# Altium PCB PCB.PcbDoc
Units mm, origin at the board's own origin, x right, y up, seen from the top; angles counter-clockwise.
Board outline 90 x 70 mm, 2 copper layers (Top Layer, Bottom Layer); 116 components, 91 nets, 451 pads, 231 vias.
Unrouted connection lines stored in the file: 2.
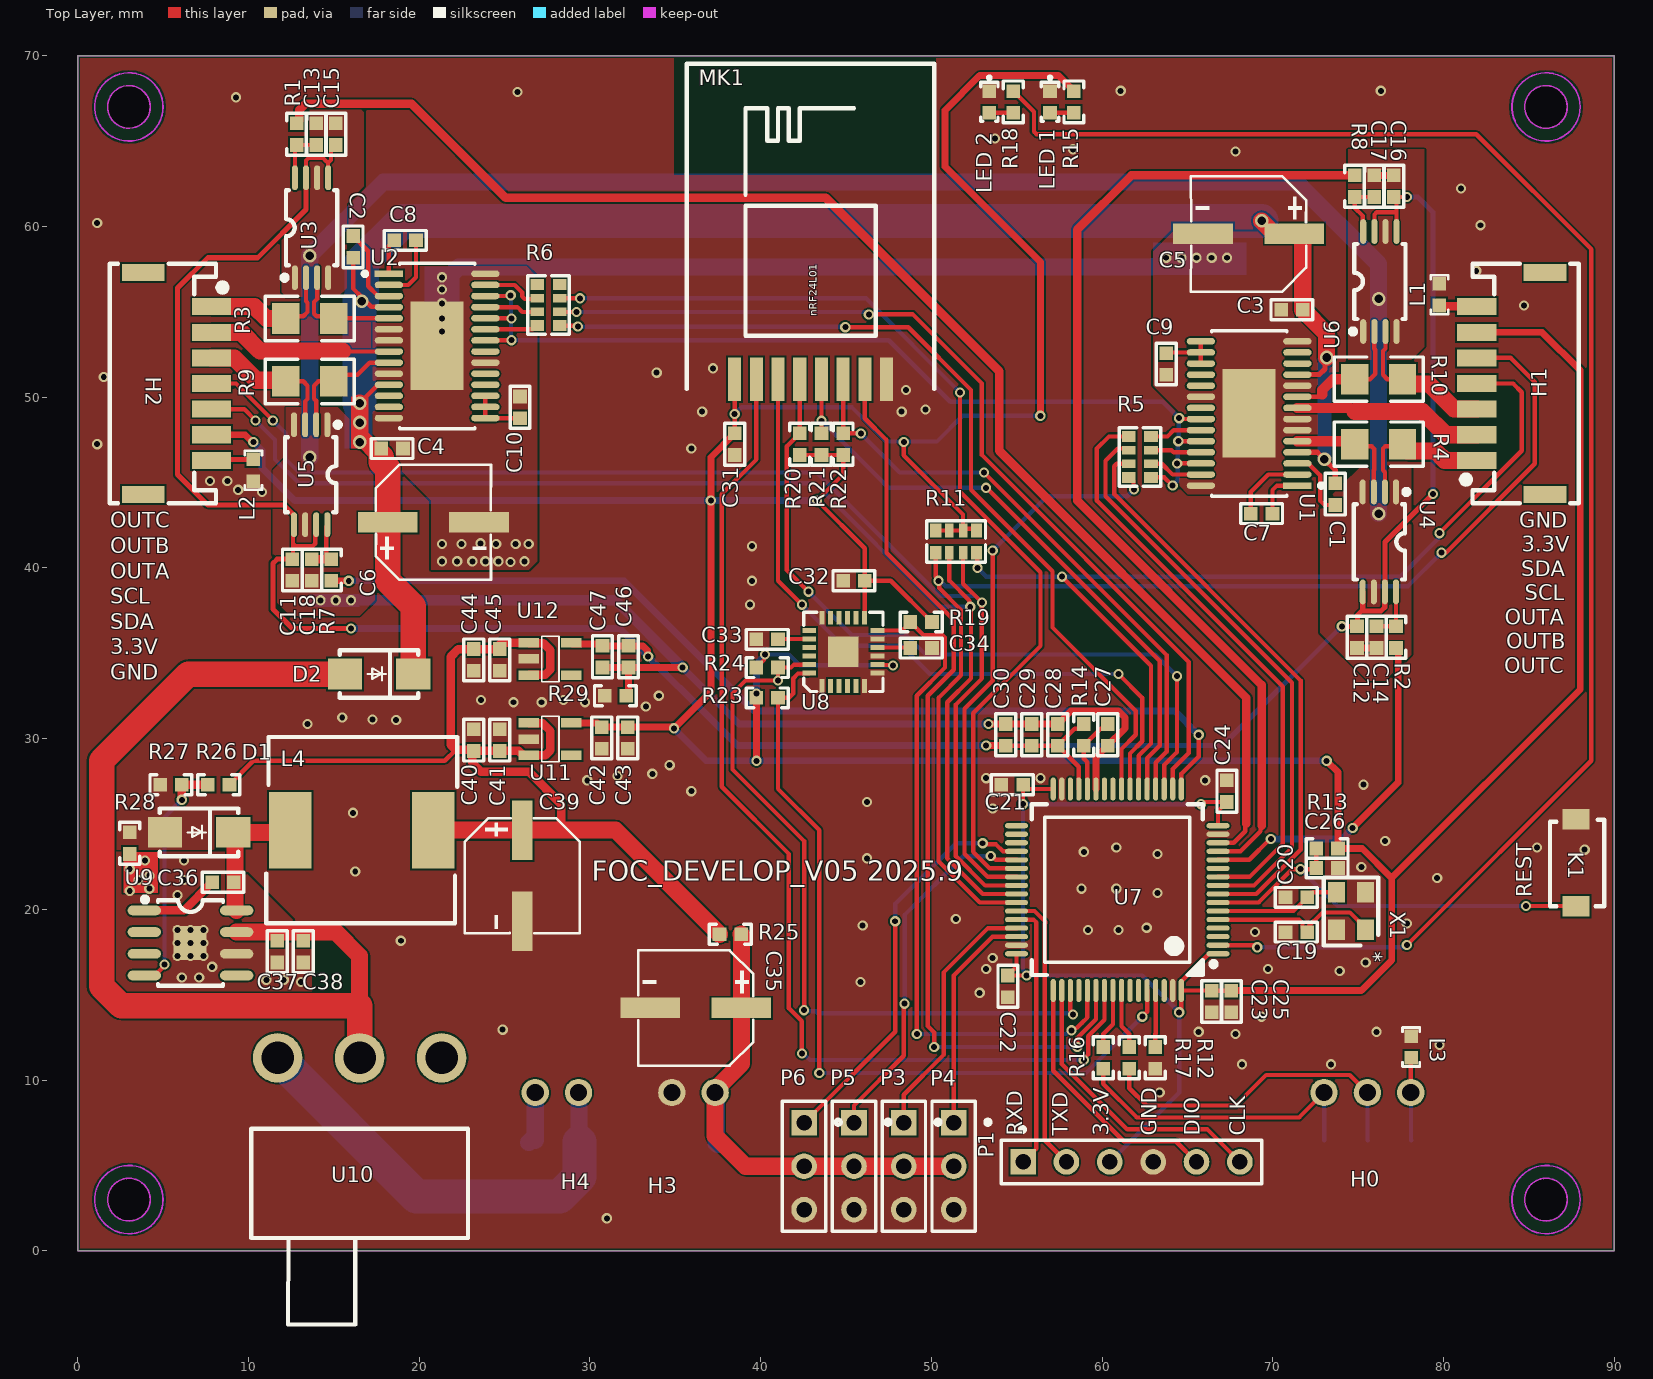
[diagram p0: Top Layer view]
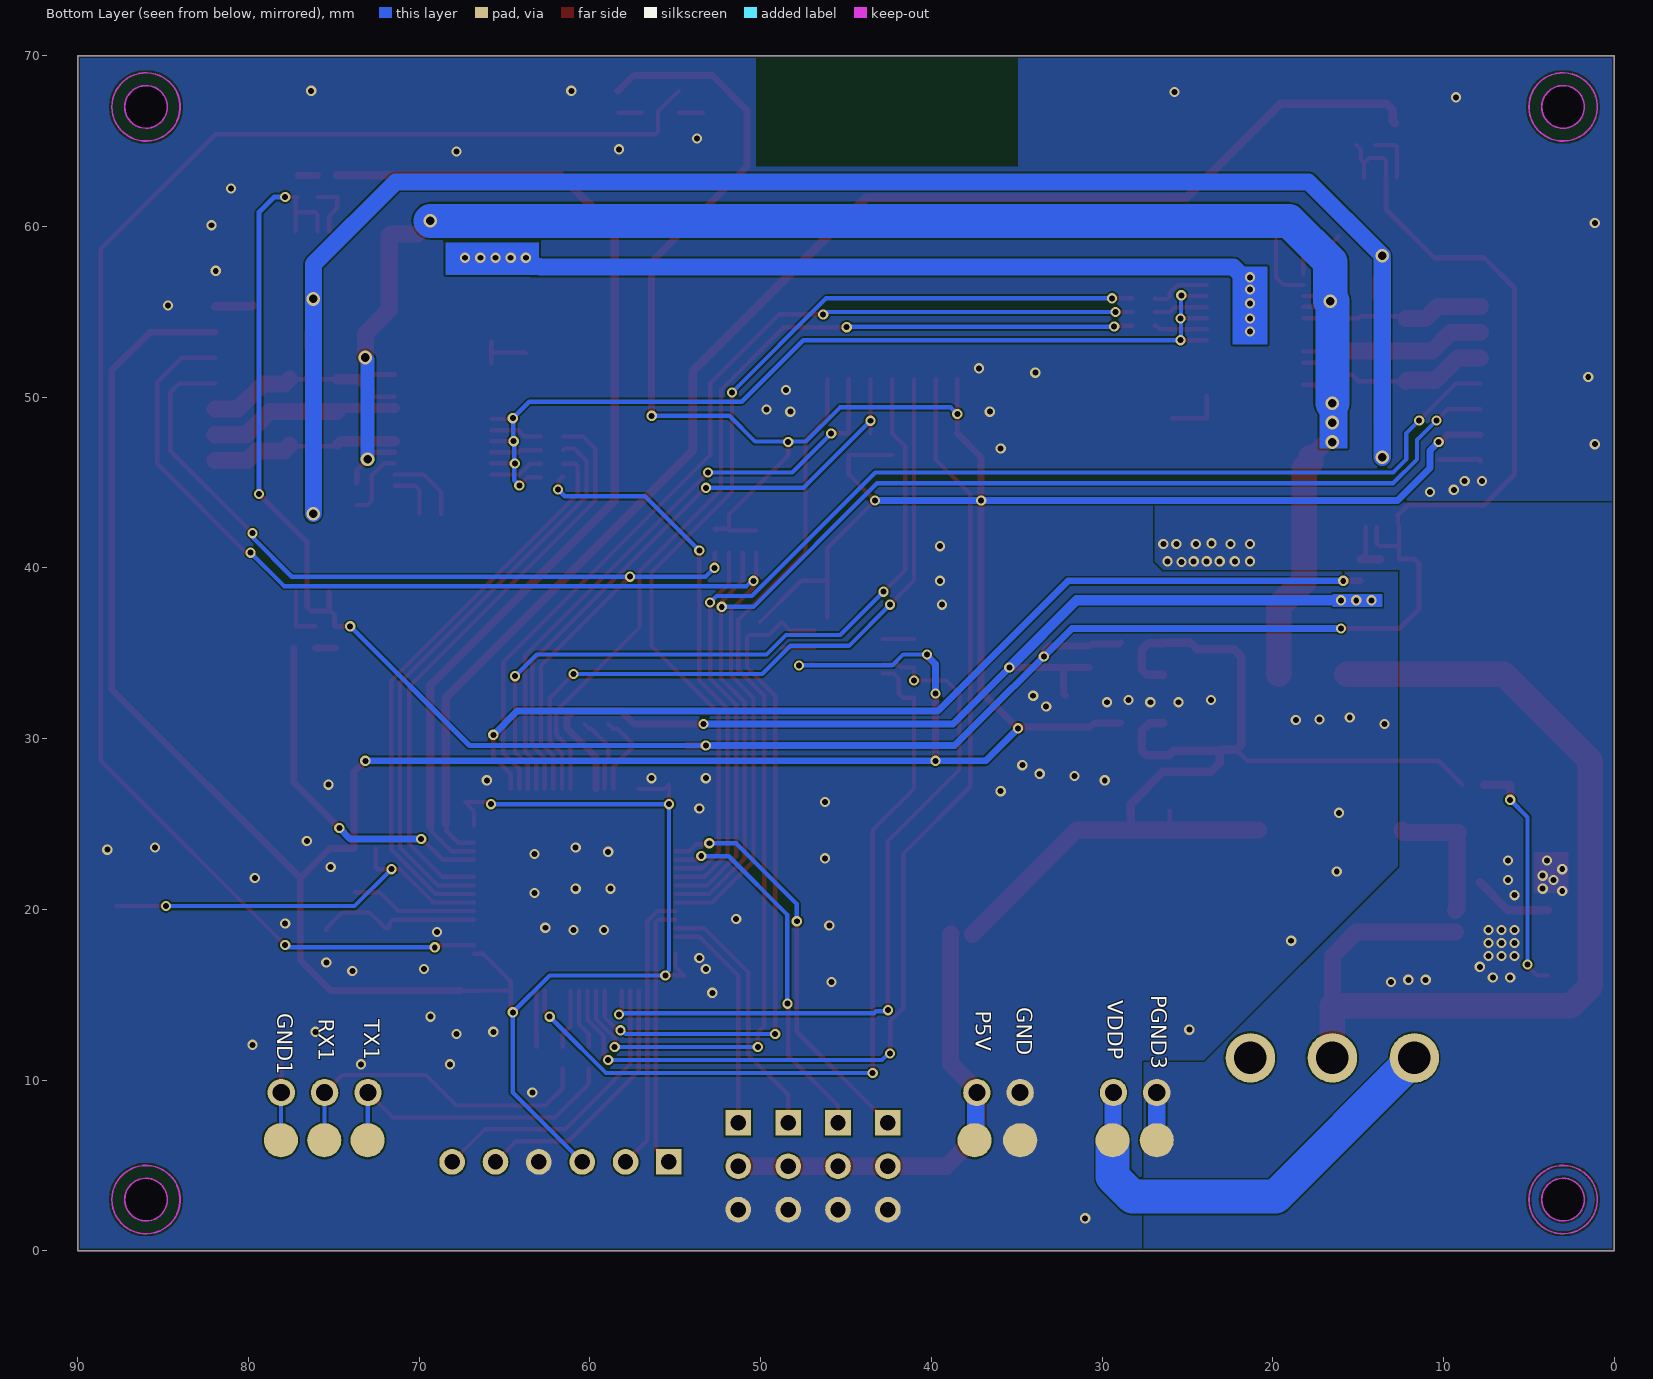
[diagram p1: Bottom Layer view, seen from below]

## Layer stack, top to bottom
Top Solder: solder mask 0.0102, Solder Resist, Dk 3.5
Top Layer: signal copper 0.0356
Dielectric 1: dielectric 0.32, FR-4, Dk 4.8
Bottom Layer: signal copper 0.0356
Bottom Solder: solder mask 0.0102, Solder Resist, Dk 3.5

## Board outline
0,0 0,70 90,70 90,0
cut-out: 84.75,67 ccw(c86,67) 86,65.75 ccw(c86,67) 87.25,67 ccw(c86,67) 86,68.25 ccw(c86,67)
cut-out: 3,65.75 cw(c3,67) 1.75,67 cw(c3,67) 3,68.25 cw(c3,67) 4.25,67 cw(c3,67)
cut-out: 84.75,67 ccw(c86,67) 86,65.75 ccw(c86,67) 87.25,67 ccw(c86,67) 86,68.25 ccw(c86,67)
cut-out: 1.75,3 ccw(c3,3) 3,1.75 ccw(c3,3) 4.25,3 ccw(c3,3) 3,4.25 ccw(c3,3)
cut-out: 84.75,3 ccw(c86,3) 86,1.75 ccw(c86,3) 87.25,3 ccw(c86,3) 86,4.25 ccw(c86,3)

## Design rules (kind name [scope] priority, off if disabled: settings)
Clearance [All] p1: gap=0.1 ignorepadtopadclearanceinfootprint=FALSE except(0: Arc-Hole Track-Hole SMDPad-Hole THPad-Hole Via-Hole Fill-Hole Poly-Hole Region-Hole Text-Hole; 0.102: Arc-Arc Arc-Track Arc-SMDPad Arc-THPad Track-Track Track-SMDPad Track-THPad SMDPad-SMDPad SMDPad-THPad THPad-THPad; 0.127: Arc-Via Track-Via SMDPad-Via SMDPad-Text THPad-Via Via-Via; 0.254: Arc-Text Track-Text THPad-Text Via-Text Fill-Text Poly-Text Region-Text Text-Text)
HoleSize [All] p1: absolutevalues=TRUE maxlimit=30 minlimit=0.025 maxpercent=80.000 minpercent=20.000
HoleToHoleClearance [All] p1: gap=0.152 allowstackedmicrovias=TRUE
MinimumSolderMaskSliver [All] p1: minsoldermaskwidth=0
PlaneClearance [All] p1: clearance=0.254
PlaneConnect [All] p1: planeconnectstyle=Direct reliefexpansion=0.508 reliefentries=4 reliefconductorwidth=0.254 reliefairgap=0.254
PolygonConnect [All] p1: connectstyle=Direct reliefconductorwidth=0.254 reliefentries=4 polygonreliefangle="90 Angle" airgapwidth=0.254
RoutingVias [All] p1: holewidth=0.711 width=1.27 viastyle="Through Hole" minholewidth=0.3 minwidth=0.5 maxholewidth=30 maxwidth=30
SilkToSilkClearance [All] p1: silktosilkclearance=0
SilkToSolderMaskClearance [IsPad] p1: minsilkscreentomaskgap=0 clearancetoexposedcopper=TRUE
SolderMaskExpansion [All] p1: expansion=0.102 istentingtop=FALSE
Width [All] p1: maxlimit=3 minlimit=0.1 preferedwidth=0.254
23 further rules are at their usual default settings.

## Classes and differential pairs
component class Sheet3-power: C36 C37 C38 C39 C40 C41 C42 C43 C44 C45 C46 C47 D1 D2 H4 L4 PGND3 R26 R27 R28 R29 U9 U10 U11 U12 VDDP
component class Sheet2-sensor: C31 C32 C33 C34 C35 GND H3 MK1 P3 P4 P5 P5V P6 R19 R20 R21 R22 R23 R24 R25 U8
component class Sheet0-MCU: C19 C20 C21 C22 C23 C24 C25 C26 C27 C28 C29 C30 GND1 H0 K1 L3 "LED 1" "LED 2" P1 R12 R13 R14 R15 R16 R17 R18 RX1 TX1 U7 X1
component class Sheet1-driver: C1 C2 C3 C4 C5 C6 C7 C8 C9 C10 C11 C12 C13 C14 C15 C16 C17 C18 H1 H2 L1 L2 R1 R2 R3 R4 R5 R6 R7 R8 R9 R10 R11 U1 U2 U3 U4 U5 U6

## Components (designator, comment, footprint, x,y, rotation, side; value= is the part's Value field where it differs from the comment)
C1 "100nF" CC1608-0603 73.66,44.323 r90 top
C2 "100nF" CC1608-0603 16.129,58.801 r270 top
C3 "100NF" CC1608-0603 71.12,55.118 r180 top
C4 "100NF" CC1608-0603 18.415,46.99 r0 top
C5 "35V 100uF" CAP-SMD_D6.3 68.58,59.563 r180 top
C6 "35V 100uF" CAP-SMD_D6.3 20.831,42.672 r0 top
C7 "0.01uF" CC1608-0603 69.342,43.18 r0 top
C8 "0.01uF" CC1608-0603 19.177,59.182 r180 top
C9 "0.47UF" CC1608-0603 63.754,51.943 r270 top
C10 "0.47UF" CC1608-0603 25.908,49.403 r90 top
C11 "100nF" CC1608-0603 12.573,39.878 r270 top
C12 "100nF" CC1608-0603 74.93,35.941 r270 top
C13 "2.2nF" CC1608-0603 13.97,65.405 r270 top
C14 "2.2nF" CC1608-0603 76.073,35.941 r90 top
C15 "100nF" CC1608-0603 15.113,65.405 r90 top
C16 "100nF" CC1608-0603 77.089,62.357 r90 top
C17 "2.2nF" CC1608-0603 75.946,62.357 r270 top
C18 "2.2nF" CC1608-0603 13.716,39.878 r90 top
C19 "12PF" CC1608-0603 71.374,18.669 r0 top
C20 "12PF" CC1608-0603 71.374,20.701 r0 top
C21 "100NF" CC1608-0603 54.737,27.305 r0 top
C22 "100NF" CC1608-0603 54.483,15.494 r90 top
C23 "100NF" CC1608-0603 66.421,14.605 r90 top
C24 "100NF" CC1608-0603 67.31,26.924 r270 top
C25 "1UF" CC1608-0603 67.564,14.605 r90 top
C26 "100NF" CC1608-0603 73.18,22.424 r180 top
C27 "1UF" CC1608-0603 60.325,30.226 r90 top
C28 "10UF" CC1608-0603 57.404,30.226 r270 top
C29 "1UF" CC1608-0603 55.88,30.226 r270 top
C30 "100NF" CC1608-0603 54.356,30.226 r270 top
C31 "100NF" CC1608-0603 38.481,47.244 r270 top
C32 "100NF" CC1608-0603 45.466,39.243 r180 top
C33 "2.2UF" CC1608-0603 40.386,35.814 r180 top
C34 "100NF" CC1608-0603 49.403,35.306 r180 top
C35 "16V 220uF" CAP-SMD_D6.3 36.198,14.224 r180 top
C36 "0.01uf" CC1608-0603 8.509,21.59 r0 top
C37 "4.7uF 50V" CC1608-0603 11.684,17.526 r270 top
C38 "4.7uF 50V" CC1608-0603 13.208,17.526 r270 top
C39 "16V 220uF" CAP-SMD_D6.3 26.035,21.971 r270 top
C40 "2.2uf" CC1608-0603 23.201,29.914 r270 top
C41 "100nF" CC1608-0603 24.725,29.914 r270 top
C42 "22UF" CC1608-0603 30.694,30.041 r270 top
C43 "100NF" CC1608-0603 32.218,30.041 r270 top
C44 "2.2uf" CC1608-0603 23.201,34.613 r90 top
C45 "100nF" CC1608-0603 24.725,34.613 r90 top
C46 "22UF" CC1608-0603 32.258,34.798 r270 top
C47 "100NF" CC1608-0603 30.734,34.798 r270 top
D1 "B340A" "DO-214 AA" 7.112,24.511 r180 top
D2 "SS34" "DO-214 AA" 17.653,33.782 r180 top
GND "test" test#1 34.798,6.477 r90 bottom
GND1 "test" test#2 78.359,6.255 r180 bottom
H0 "Header_3P_Curved" Header_2_54_3PW 73,9.271 r0 top locked
H1 "ZH 1.5-7P" ZH1.5-7P 83.947,50.8 r90 top locked
H2 "ZH 1.5-7P" ZH1.5-7P 5.842,50.8 r270 top locked
H3 "Header_2P_Curved" Header_2_54_2PW 34.798,9.271 r0 top locked
H4 "Header_2P_Curved" Header_2_54_2PW 26.797,9.271 r0 top locked
K1 "KEY 3*4" "KEY 3*4" 87.757,20.173 r90 top
L1 "68nH 200mA" Inductor-0603 79.756,56.007 r90 top
L2 "68nH 200mA" Inductor-0603 10.287,45.72 r270 top
L3 "68nH 200mA" Inductor-0603 78.105,11.938 r90 top
L4 "22UH" Inductor-1040 12.446,24.638 r90 top
"LED 1" "LED 0603" "LED 0603" 56.951,67.294 r90 top
"LED 2" "LED 0603" "LED 0603" 53.395,67.294 r90 top
MK1 "GT-24-MINI" "GT24 _MINI" 38.481,51.054 r90 top locked
P1 "Header 6" HDR1X6 55.372,5.207 r0 top
P3 "Header 3" HDR1X3 48.387,7.493 r270 top
P4 "Header 3" HDR1X3 51.308,7.493 r270 top
P5 "Header 3" HDR1X3 45.466,7.493 r270 top
P5V "test" test#1 37.465,6.477 r90 bottom
P6 "Header 3" HDR1X3 42.545,7.493 r270 top
PGND3 "test" test#3 28.018,6.445 r0 bottom
R1 "22R" CR1608-0603 12.827,65.405 r270 top
R2 "22R" CR1608-0603 77.216,35.941 r90 top
R3 "0.01R" CR3216-1206 13.589,54.61 r180 top locked
R4 "0.01R" CR3216-1206 76.2,47.244 r0 top locked
R5 "0R" SMD_0603-8P 62.215,46.501 r90 top
R6 "0R" SMD_0603-8P 27.574,55.391 r270 top
R7 "22R" CR1608-0603 14.859,39.878 r90 top
R8 "22R" CR1608-0603 74.803,62.357 r270 top
R9 "0.01R" CR3216-1206 13.589,50.927 r0 top locked
R10 "0.01R" CR3216-1206 76.2,51.054 r180 top
R11 "4.7K" SMD_0603-8P 51.454,41.544 r180 top
R12 "10K" CR1608-0603 63.119,11.303 r90 top
R13 "10K" CR1608-0603 73.18,23.567 r0 top
R14 "10R" CR1608-0603 58.928,30.226 r90 top
R15 "2K" CR1608-0603 58.348,67.294 r90 top
R16 "22R" CR1608-0603 60.071,11.303 r270 top
R17 "22R" CR1608-0603 61.595,11.303 r270 top
R18 "2K" CR1608-0603 54.792,67.294 r90 top
R19 "10K" CR1608-0603 49.403,36.83 r0 top
R20 "10K" CR1608-0603 42.291,47.244 r90 top
R21 "10K" CR1608-0603 43.561,47.244 r90 top
R22 "10K" CR1608-0603 44.831,47.244 r90 top
R23 "10K" CR1608-0603 40.386,32.385 r0 top
R24 "10K" CR1608-0603 40.386,34.163 r0 top
R25 "0R" CR1608-0603 38.227,18.542 r0 top
R26 "10K 1%" CR1608-0603 8.255,27.305 r0 top
R27 "3.24K 1%" CR1608-0603 5.461,27.305 r0 top
R28 "0R" CR1608-0603 3.048,23.876 r270 top
R29 "0R" CR1608-0603 31.496,32.512 r180 top
RX1 "test" test#4 75.438,6.128 r180 bottom
TX1 "test" test#5 72.517,5.747 r180 bottom
U1 "DRV8313PWPR" HTSSOP-28 68.611,49.046 r180 top
U2 "DRV8313PWPR" HTSSOP-28 21.051,53 r0 top
U3 "INA240A1PWR" TSSOP-8 13.697,59.925 r0 top
U4 "INA240A1PWR" TSSOP-8 76.241,41.523 r180 top
U5 "INA240A1PWR" TSSOP-8 13.645,45.46 r180 top locked
U6 "INA240A1PWR" TSSOP-8 76.271,56.775 r0 top
U7 "STM32G431RBT6" LQFP-64 60.889,21.151 r90 top
U8 "MPU6050" "QFN24 - duplicate" 44.843,35.084 r90 top locked
U9 "TPS5430DDAR" SOIC-8-E 6.604,18.034 r270 top
U10 "HX SS12D10G4" SW-TH_3P-SS12D06 16.51,11.303 r0 top locked
U11 "SPX3819M5-L-3.3/TR" SOT23-5 26.416,29.019 r90 top
U12 "SPX3819M5-L-3.3/TR" SOT23-5 26.416,33.718 r90 top
VDDP "test" test#6 29.21,6.572 r0 bottom
X1 "3225_8M" XTAL-3225 73.738,18.796 r90 top

## Footprints (in the part's own frame and the unit in brackets; to place one, negate y for a bottom-side part, rotate by r counter-clockwise, add the part's x,y. Pads: shape width x height; smd on the part's side, far side on the other; paste and mask are expansions set on the pad)
CAP-SMD_D6.3 [mm] "直径6.3mm固态电容"
  rect 3.5x1.2 smd paste+0 mask+0.051: 1(-2.67,0) 2(2.67,0)
  silkscreen extent -3.38,-3.38 3.38,3.38, body extent -3.65,-3.3 3.65,3.3, height 5.9
CC1608-0603 [mm]
  rect 0.8x0.8 smd: 1(-0.635,0) 2(0.635,0)
  silkscreen extent -1.23,-0.58 1.23,0.58, body extent -0.8,-0.4 0.8,0.4, height 0.3
CR1608-0603 [mm]
  rect 0.8x0.8 smd: 1(-0.635,0) 2(0.635,0)
  silkscreen extent -1.23,-0.58 1.23,0.58, body extent -0.8,-0.4 0.8,0.4, height 0.45
CR3216-1206 [mm]
  rect 1.6x1.8 smd: 1(-1.4,0) 2(1.4,0)
  silkscreen extent -2.6,-1.3 2.6,1.3, body extent -1.6,-0.8 1.6,0.8, height 0.6
"DO-214 AA" [mm] "SMB"
  rect 2x1.8 smd: 1(-2,0) 2(2,0)
  silkscreen extent -2.3,-1.4 2.3,1.4, body extent -2.83,-1.8 2.57,1.8, height 2.4
"GT24 _MINI" [mil]
  rect 100x30 smd paste+0 mask+2: 1(0,0) 2(0,-50) 3(0,-100) 4(0,-150) 5(0,-200) 6(0,-250) 7(0,-300) 8(0,-350)
  silkscreen extent -23,-460 728,110, body extent -23,-460 728,110, height 79
HDR1X3 [mm] "Connector; Header; 3 Position"
  rect 1.5x1.5 hole 0.9: 1(0,0)
  round 1.5 hole 0.9: 2(2.54,0) 3(5.08,0)
  silkscreen extent -1.27,-1.27 6.35,2.14, body extent -1.27,-1.27 6.35,1.27, height 8.54
HDR1X6 [mm] "Connector; Header; 6 Position"
  rect 1.5x1.5 hole 0.9: 1(0,0)
  round 1.5 hole 0.9: 2(2.54,0) 3(5.08,0) 4(7.62,0) 5(10.16,0) 6(12.7,0)
  silkscreen extent -1.27,-1.27 13.97,2.04, body extent -1.27,-1.27 13.97,1.27, height 8.54
Header_2_54_2PW [mm] "弯的排针"
  round 1.6 hole 1: 1(0,0) 2(2.54,0)
  body extent -2.52,-7.47 5.18,0.38, height 5.8
Header_2_54_3PW [mm] "3P弯针"
  round 1.6 hole 1: 1(0,0) 2(2.54,0) 3(5.08,0)
  body extent -2.6,-7.48 7.62,0.38, height 5.8
HTSSOP-28 [mm]
  rect 1.655x0.381 smd paste+0 mask+0: 1(-2.825,4.225)
  rrect100% 1.655x0.381 smd paste+0 mask+0: 2(-2.825,3.575) 3(-2.825,2.925) 4(-2.825,2.275) 5(-2.825,1.625) 6(-2.825,0.975) 7(-2.825,0.325) 8(-2.825,-0.325) 9(-2.825,-0.975) 10(-2.825,-1.625) 11(-2.825,-2.275) 12(-2.825,-2.925) 13(-2.825,-3.575) 14(-2.825,-4.225) 15(2.825,-4.225) 16(2.825,-3.575) 17(2.825,-2.925) 18(2.825,-2.275) 19(2.825,-1.625) 20(2.825,-0.975) 21(2.825,-0.325) 22(2.825,0.325) 23(2.825,0.975) 24(2.825,1.625) 25(2.825,2.275) 26(2.825,2.925) 27(2.825,3.575) 28(2.825,4.225)
  rect 3.1x5.18 smd paste-1000 mask+0: 29(0,0)
  silkscreen extent -4.35,-4.85 2.2,4.85, body extent -3.9,-5.1 3.9,5.1, height 0.25
Inductor-0603 [mm]
  rect 0.8x0.8 smd: 1(-0.635,0) 2(0.635,0)
  silkscreen extent -1.14,-0.51 1.14,0.51, body extent -0.8,-0.43 0.8,0.43, height 0.48
Inductor-1040 [mm]
  rect 4.5x2.5 smd: 1(0,0) 2(0,-8.382)
  silkscreen extent -5.46,-9.78 5.46,1.4, body extent -5,-9.39 5,1.01, height 3.9
"KEY 3*4" [mm]
  rect 1.2x1.6 smd: 1(0,0) 2(5.1,0)
  silkscreen extent 0,-1.65 5.08,1.52, body extent 0.25,-1.71 4.7,1.46, height 2.01
"LED 0603" [mm]
  rect 0.8x0.8 smd: 1(-0.635,0) 2(0.635,0)
  silkscreen extent -1.14,-0.51 1.48,0.51, body extent -0.8,-0.4 0.8,0.4, height 0.6
LQFP-64 [mm]
  oval 0.3x1.35 smd paste+0 mask+0.051: 1(-3.75,-5.9) 2(-3.25,-5.9) 3(-2.75,-5.9) 4(-2.25,-5.9) 5(-1.75,-5.9) 6(-1.25,-5.9) 7(-0.75,-5.9) 8(-0.25,-5.9) 9(0.25,-5.9) 10(0.75,-5.9) 11(1.25,-5.9) 12(1.75,-5.9) 13(2.25,-5.9) 14(2.75,-5.9) 15(3.25,-5.9) 16(3.75,-5.9) 33(3.75,5.9) 34(3.25,5.9) 35(2.75,5.9) 36(2.25,5.9) 37(1.75,5.9) 38(1.25,5.9) 39(0.75,5.9) 40(0.25,5.9) 41(-0.25,5.9) 42(-0.75,5.9) 43(-1.25,5.9) 44(-1.75,5.9) 45(-2.25,5.9) 46(-2.75,5.9) 47(-3.25,5.9) 48(-3.75,5.9)
  oval 1.35x0.3 smd paste+0 mask+0.051: 17(5.9,-3.75) 18(5.9,-3.25) 19(5.9,-2.75) 20(5.9,-2.25) 21(5.9,-1.75) 22(5.9,-1.25) 23(5.9,-0.75) 24(5.9,-0.25) 25(5.9,0.25) 26(5.9,0.75) 27(5.9,1.25) 28(5.9,1.75) 29(5.9,2.25) 30(5.9,2.75) 31(5.9,3.25) 32(5.9,3.75) 49(-5.9,3.75) 50(-5.9,3.25) 51(-5.9,2.75) 52(-5.9,2.25) 53(-5.9,1.75) 54(-5.9,1.25) 55(-5.9,0.75) 56(-5.9,0.25) 57(-5.9,-0.25) 58(-5.9,-0.75) 59(-5.9,-1.25) 60(-5.9,-1.75) 61(-5.9,-2.25) 62(-5.9,-2.75) 63(-5.9,-3.25) 64(-5.9,-3.75)
  silkscreen extent -5,-5.79 5,5, body extent -6.05,-6.12 6.1,6.02, height 1.62
"QFN24 - duplicate" [mm]
  rect 0.8x0.3 smd: 1(-2,1.25) 2(-2,0.75) 3(-2,0.25) 4(-2,-0.25) 5(-2,-0.75) 6(-2,-1.25) 13(2,-1.25) 14(2,-0.75) 15(2,-0.25) 16(2,0.25) 17(2,0.75) 18(2,1.25)
  rect 1.8x1.8 smd: 1(0.005,0)
  rect 0.3x0.8 smd: 7(-1.25,-2) 8(-0.75,-2) 9(-0.25,-2) 10(0.25,-2) 11(0.75,-2) 12(1.25,-2) 19(1.25,2) 20(0.75,2) 21(0.25,2) 22(-0.25,2) 23(-0.75,2) 24(-1.25,2)
  silkscreen extent -2.32,-2.32 2.32,2.32, body extent -2,-2 2.01,2, height 0.9
SMD_0603-8P [mm]
  rect 0.65x0.8 smd paste+0 mask+0.051: 1(-1.2,-0.65) 4(1.2,-0.65) 5(1.2,0.65) 8(-1.2,0.65)
  rect 0.5x0.8 smd paste+0 mask+0.051: 2(-0.4,-0.65) 3(0.4,-0.65) 6(0.4,0.65) 7(-0.4,0.65)
  silkscreen extent -1.71,-1.22 1.71,1.22, body extent -1.6,-0.8 1.6,0.8, height 0.5
SOIC-8-E [mil]
  oval 22.38x76.78 smd paste+0 mask+2: 1(-75,-106.5) 2(-25,-106.5) 3(25,-106.5) 4(75,-106.5) 5(75,106.5) 6(25,106.5) 7(-25,106.5) 8(-75,106.5)
  rect 78.74x76.78 smd paste+0 mask+2: 9(0,-1)
  silkscreen extent -106,-111 98,75, body extent -98,-125 98,120, height 69
SOT23-5 [mm] "适用于MIC5205"
  rect 0.55x1.2 smd: 1(1.905,0) 2(0.955,0) 3(0.005,0) 4(0.005,-2.5) 5(1.905,-2.5)
  silkscreen extent -0.38,-1.78 2.29,-0.76, body extent -0.6,-2.82 2.5,0.38, height 1.45
SW-TH_3P-SS12D06 [mm]
  round 2.9 hole 1.9 paste+0 mask+0.051: 1(-4.8,0) 2(0,0) 3(4.8,0)
  silkscreen extent -6.35,-15.62 6.35,-4.15, body extent -6.35,-15.68 6.35,-4.19, height 6.7
test#1 [mm]
  round 2 smd: 0(0,0)
test#2 [mm]
  round 2 smd: 0(0.259,0.222)
test#3 [mm]
  round 2 smd: 0(-1.221,-0.032)
test#4 [mm]
  round 2 smd: 0(-0.122,0.349)
test#5 [mm]
  round 2 smd: 0(-0.503,0.73)
test#6 [mm]
  round 2 smd: 0(0.176,0.095)
TSSOP-8 [mm]
  oval 0.353x1.454 smd: 1(-0.975,-2.927) 2(-0.325,-2.927) 3(0.325,-2.927) 4(0.975,-2.927) 5(0.975,2.927) 6(0.325,2.927) 7(-0.325,2.927) 8(-0.975,2.927)
  silkscreen extent -1.73,-3.08 1.5,2.2, body extent -1.43,-3.17 1.57,3.11, height 1.09
XTAL-3225 [mm]
  rect 1.2x1 smd: 1(0,-1.7) 2(2.2,-1.7) 3(2.2,0) 4(0,0)
  silkscreen extent -0.91,-2.44 3.07,0.76, body extent -0.43,-2.15 2.77,0.35, height 0.61
ZH1.5-7P [mm]
  rect 1x2.3 smd paste+0 mask+0.05: 1(-4.5,2) 2(-3,2) 3(-1.5,2) 4(0,2) 5(1.5,2) 6(3,2) 7(4.5,2)
  rect 1x2.5 smd paste+0 mask+0.05: 8(6.5,-2) 9(-6.5,-2)
  silkscreen extent -7.02,-3.97 7.02,3.04, body extent -6.96,-4.36 6.96,2.69, height 4

## Part data
C1 C2 C3 C4 C7 C8 C9 C10 C11 C12 C13 C14 C15 C16 C17 C18 C19 C20 C21 C22 C23 C24 C25 C26 C27 C28 C29 C30 C40 C41 C44 C45: library part "Cap Chip 0603", "0603封装的电容", Published=8-Jun-2000, Publisher="Altium Limited", Revision="July-2002: Re-released for DXP Platform."
C5 C6 C35 C39: library part "Cap ECAP SMD", "铝点解电容", BOM_Manufacturer=PANASONIC, BOM_Manufacturer Part=EEEFP1C681AP, BOM_Supplier=LCSC, BOM_Supplier Part=C413527, Contributor=LCSC, nameAlias=Capacitance, spicePre=C, spiceSymbolName=EEEFP1C681AP
C31 C32 C33 C34 C36 C37 C38 C42 C43 C46 C47: library part "Chip capacitor", "贴片电容"
D1: "40V 3A 550mV@3A", BOM_JLCPCB Part Class="Extended Part", BOM_Manufacturer=MDD, BOM_Manufacturer Part=B340A, BOM_Supplier=LCSC, BOM_Supplier Part=C64982, spicePre=D, spiceSymbolName=B340A
D2: "肖特基二极管"
GND GND1 P5V PGND3 RX1 TX1 VDDP: "测试点"
H0: "弯的3P排针"
H1 H2: "ZH1.5-7P 间距1.5的贴片连接座"
H3 H4: "弯的2P排针"
K1: "轻触开关按键"
L1 L2 L3: library part Inductor-0603, "贴片电感 0603封装"
L4: library part Inductor-1040, "1040封装 一体成型 贴片 功率电感"
MK1: "工业级GT-24数传无线模块 2.4G NRF24L01&PA+LNA", JLCPCB Part Class="Extended Part", Manufacturer=Ashining(泽耀科技), Manufacturer Part=AS01-ML01S, spicePre=M, spiceSymbolName=AS01-ML01S, Supplier=LCSC, Supplier Part=C84802
P1: "Header, 6-Pin", LatestRevisionDate=17-Jul-2002, LatestRevisionNote="Re-released for DXP Platform.", Publisher="Altium Limited"
P3 P4 P5 P6: "Header, 3-Pin", LatestRevisionDate=17-Jul-2002, LatestRevisionNote="Re-released for DXP Platform.", Publisher="Altium Limited"
R1 R2 R7 R8 R12 R13 R14 R15 R16 R17 R18 R28 R29: library part "Resistor Chip 0603", "0603封装电阻", Published=8-Jun-2000, Publisher="Altium Limited", Revision="July-2002: Re-released for DXP Platform."
R3 R4 R9 R10: library part "Resistor Chip 1206", "1206封装电阻", Published=8-Jun-2000, Publisher="Altium Limited", Revision="July-2002: Re-released for DXP Platform."
R5 R6 R11: library part "Resistor Chip 0603_1206", "0603封装电阻", Published=8-Jun-2000, Publisher="Altium Limited", Revision="July-2002: Re-released for DXP Platform."
R19 R20 R21 R22 R23 R24 R25 R26 R27: library part "Chip resistor", "贴片电阻"
U1 U2: library part DRV8313, "独立控制的半 H 桥驱动器,主要用于驱动一个三项无刷电机IC MOTOR DRIVER 8V-60V 28HTSSOP", Case/Package=HTSSOP, Max Operating Temperature=125°C, Max Supply Voltage=60V, Min Operating Temperature=-40°C, Min Supply Voltage=8V, Output Current=1.75A, Package Quantity=2000, Interface=Parallel, Lead Free="Lead Free", Logic Function="AND GATE", Mount="Surface Mount", Number of Outputs=1, Number of Pins=28, Packaging="Tape and Reel", Series=-
U3 U4 U5 U6: "超精密电流检测放大器"
U7: JLCPCB Part Class="Extended Part", Manufacturer=ST(意法半导体), Contributor=LCSC, Manufacturer Part=STM32G431RBT6, spicePre=U, spiceSymbolName=STM32G431RBT6, Supplier=LCSC, Supplier Part=C431633
U8: "陀螺仪"
U9: "宽电压DCDC降压IC"
U10: library part SW-TH_3P-SS12D06, BOM_JLCPCB Part Class="Extended Part", BOM_Manufacturer=hanxia(韩下), BOM_Manufacturer Part="HX SS12D10G4", BOM_Supplier=LCSC, BOM_Supplier Part=C5149841, Contributor=lcsc, link=https://atta.szlcsc.com/upload/public/pdf/source/20220907/2020D7183ED16DD6E2B9F5A13FB144CF.pdf, spicePre=U, spiceSymbolName="HX SS12D10G4"
U11 U12: "LDO 3.3V , SOT-23-5 500ma"
X1: library part "XTAL 3225", "3225封装的晶振"

## Via types
v1: diameter 0.6, hole 0.35, Top Layer to Bottom Layer, tented both sides, 220 vias
v2: diameter 0.8, hole 0.5, Top Layer to Bottom Layer, tented both sides, 11 vias
